# Altium PCB RTM_SFP.PcbDoc (part 12 of 17)
Units mil, origin at the board's own origin, x right, y up, seen from the top; angles counter-clockwise.
Board outline 7185 x 5846.5 mil, 4 copper layers (Top Layer, MidPlane_1, MidPlane_2, Bottom Layer), stack 63.553 mil thick; 389 components, 333 nets, 1578 pads, 1486 vias.
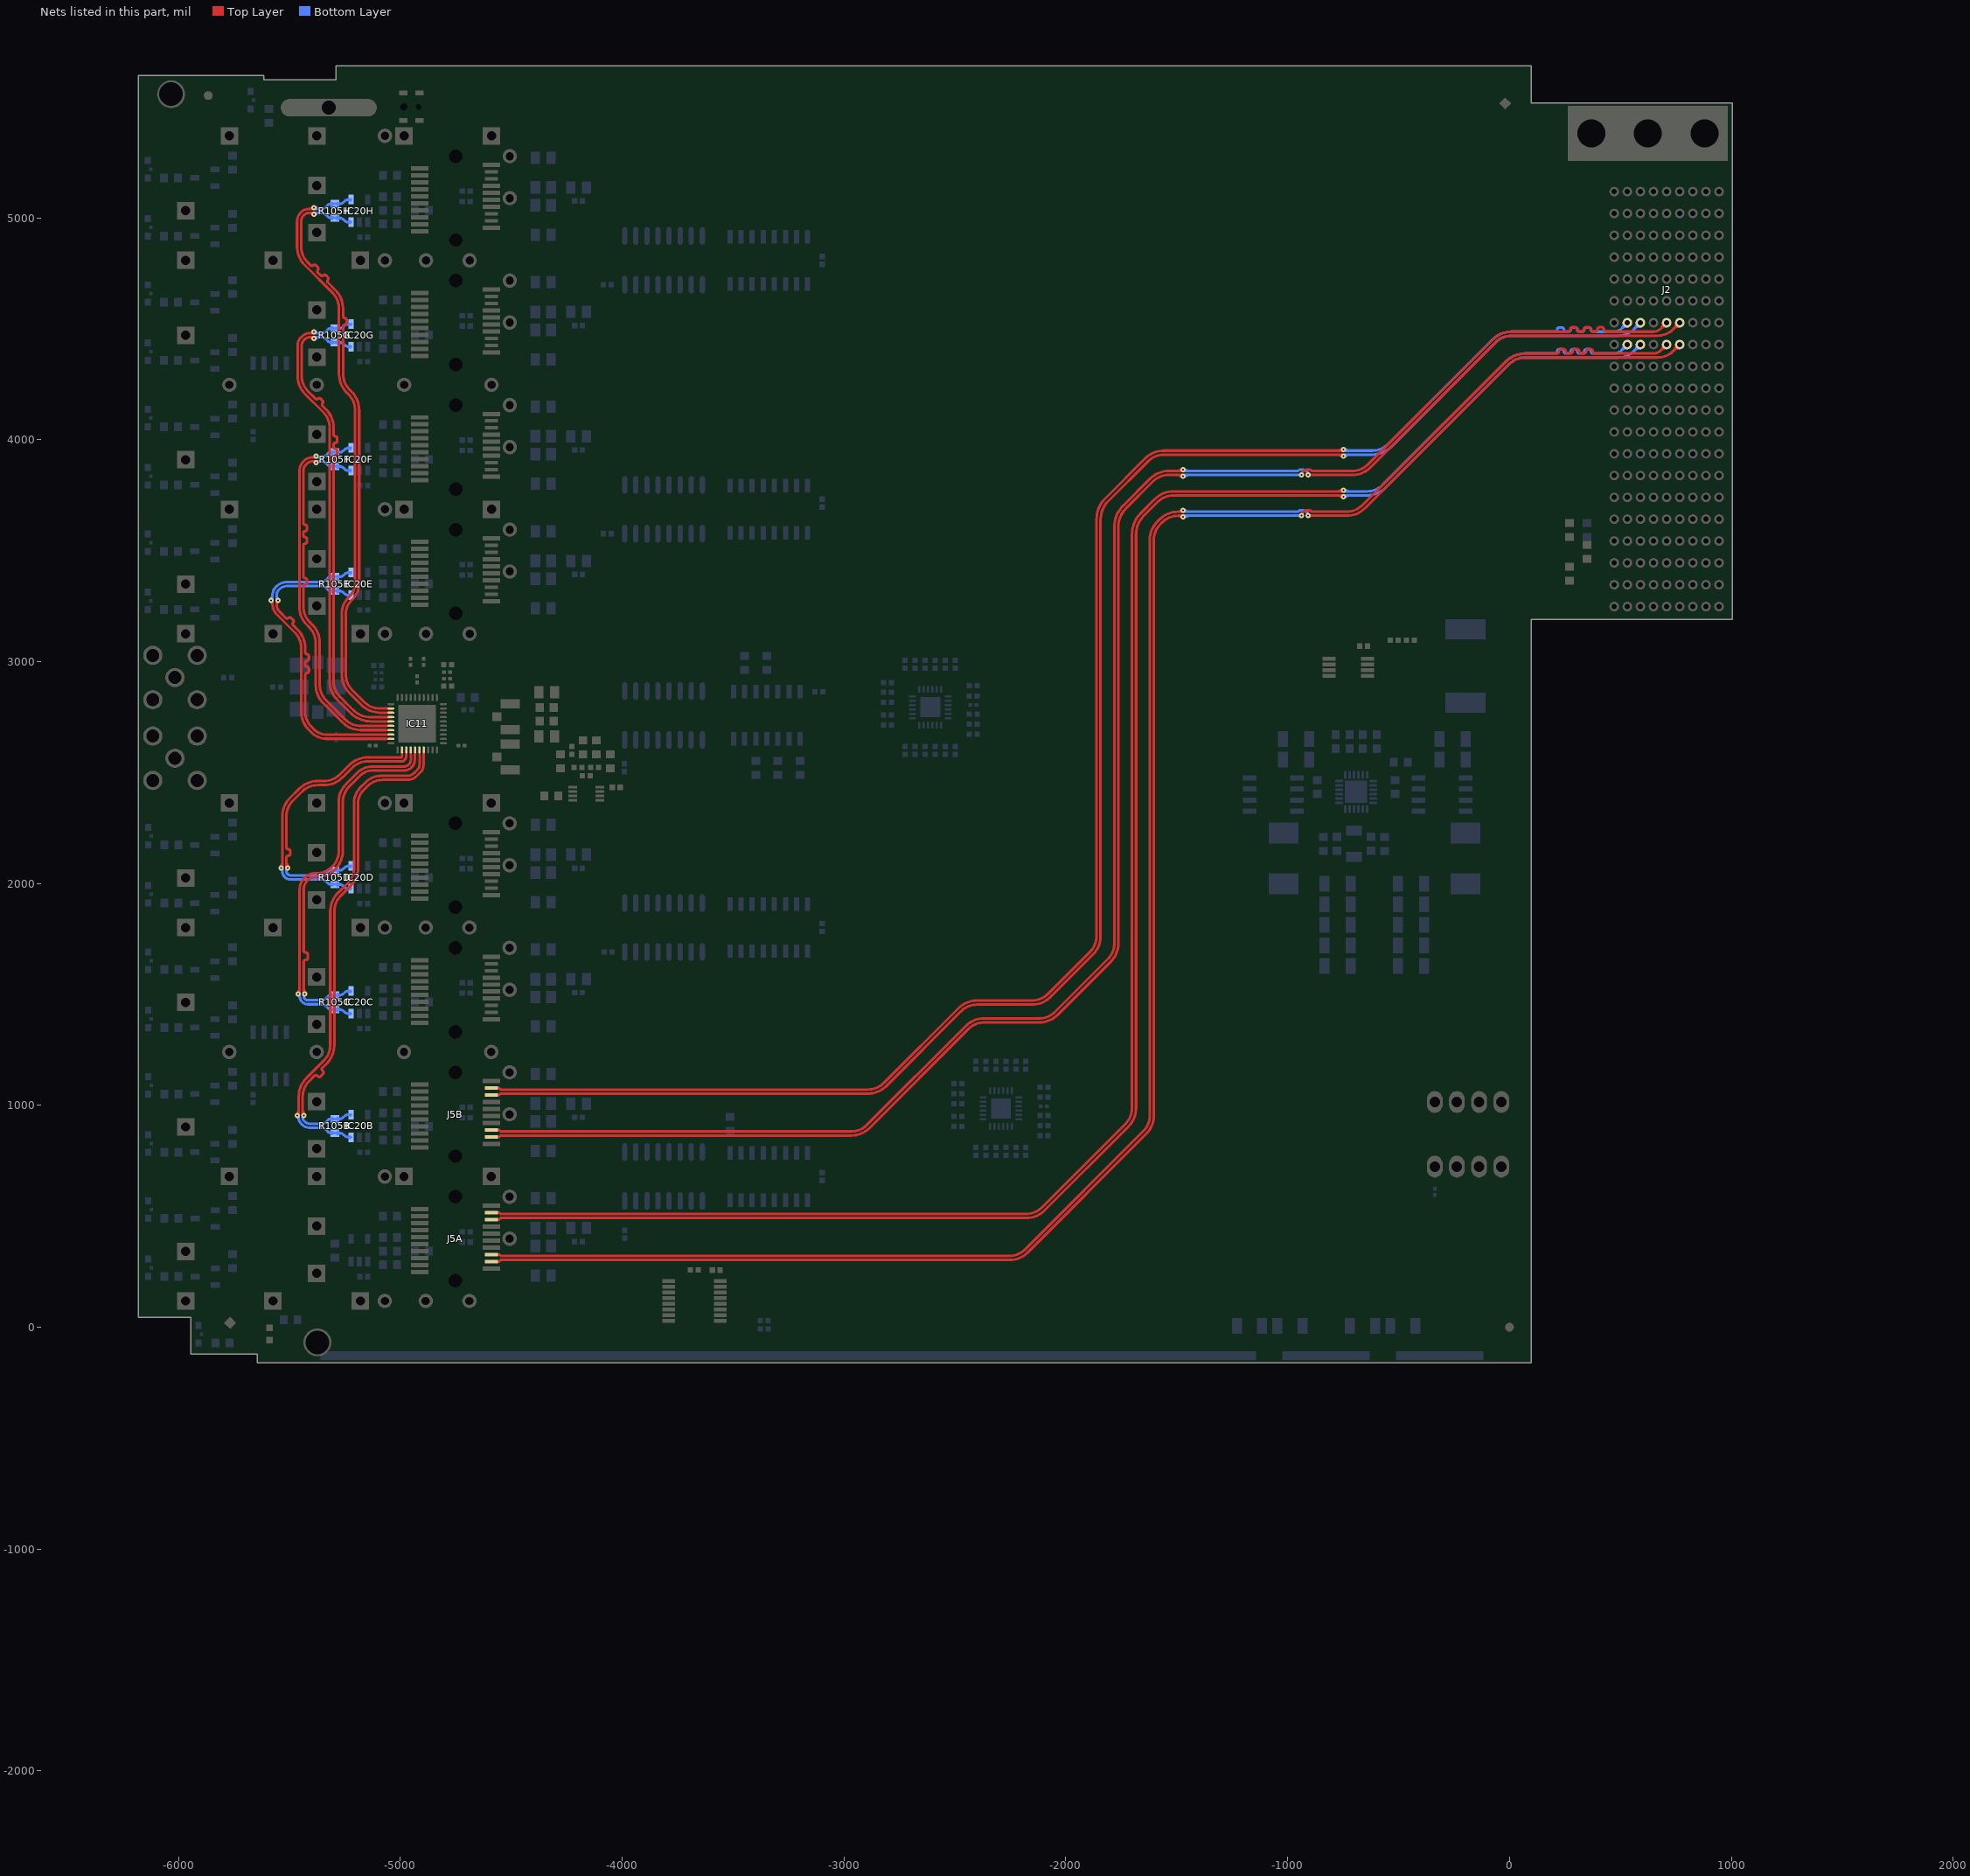
[diagram p14: the nets of this part, all layers, seen from the top]

## Via types
v1: diameter 23.62, hole 7.87, Top Layer to Bottom Layer, tented both sides, 1401 vias
v2: diameter 27.56, hole 11.81, Top Layer to Bottom Layer, tented both sides, 59 vias
v3: diameter 25.98, hole 12.99, Top Layer to Bottom Layer, tented top, 24 vias
v4: diameter 23.62, hole 11.81, Top Layer to Bottom Layer, tented both sides, 2 vias

## Nets (pads, with @x,y where several pads share a name; then routed paths per layer and width w, separated by ;. In a path a pad name is that pad's centre, name@x,y a point inside that pad or via, vN(x,y) a via of type N, cw(c..) or ccw(c..) an arc to the next point about the centre after c; other vN are vias at no path point) (continued)
SFP7RX_N: J2.D4 J5B.12 | length 8485.7
  Top Layer w12: J5B.12@-4590.14,857.33 -4554.35,857.33 -4547.61,864.08 -2967.35,864.08 ccw(c-2967.35,980.85) -2884.78,898.28 -2438.33,1344.73 cw(c-2367.62,1274.02) -2367.62,1374.02 -2119.32,1374.02 ccw(c-2119.32,1491.37) -2036.34,1408.39 -1797.85,1646.88 ccw(c-1880.78,1729.81) -1763.5,1729.81 -1763.5,3606.72 cw(c-1645.5,3606.72) -1728.94,3690.16 ; -1728.93,3690.16 -1607.33,3811.77 cw(c-1536.62,3741.06) -1536.62,3841.06 -1477.07,3841.06 v1(-1471.26,3835.24) ; v1(-937.33,3841.06) cw(c-913.52,3841.06) -913.52,3864.87 -897.54,3864.87 -891.73,3859.06 -709.53,3859.06 ccw(c-709.53,3959.06) -638.82,3888.34 -74.51,4452.65 cw(c8.43,4369.71) 8.43,4487.01 265.75,4487.01 ; 263.98,4487.01 ccw(c263.78,4497.05) 273.82,4497.05 cw(c283.66,4497.05) 283.66,4506.89 293.7,4506.89 cw(c293.7,4497.05) 303.54,4497.05 ccw(c313.58,4497.05) 313.58,4487.01 325.2,4487.01 ccw(c325,4497.05) 335.04,4497.05 cw(c344.88,4497.05) 344.88,4506.89 354.92,4506.89 cw(c354.92,4497.05) 364.76,4497.05 ccw(c374.8,4497.05) 374.8,4487.01 386.42,4487.01 ccw(c386.22,4497.05) 396.26,4497.05 cw(c406.1,4497.05) 406.1,4506.89 416.14,4506.89 cw(c416.14,4497.05) 425.98,4497.05 ccw(c436.02,4497.05) 436.02,4487.01 647.2,4487.01 ccw(c647.2,4537.48) 682.89,4501.79 ; J2.D4@708.66,4527.56 682.89,4501.79 ; -1499.32,3841.06 cw(c-1499.32,3807.19) v1@-1475.37,3831.14 ; -1499.32,3841.06 cw(c-1499.32,3807.19) v1@-1475.37,3831.14 ; -1499.32,3841.06 cw(c-1499.32,3807.19) v1@-1475.37,3831.14 ; -1487.74,3838.28 ccw(c-1482.33,3847.65) v1@-1475.13,3839.58 ; -1487.74,3838.28 ccw(c-1482.33,3847.65) v1@-1475.13,3839.58 ; -1487.74,3838.28 ccw(c-1482.33,3847.65) v1@-1475.13,3839.58 ; v1@-939.74,3846.34 ccw(c-943.96,3855.59) -934.14,3852.96 ; v1@-939.74,3846.34 ccw(c-943.96,3855.59) -934.14,3852.96 ; v1@-939.74,3846.34 ccw(c-943.96,3855.59) -934.14,3852.96 ; -934.14,3852.96 ccw(c-924.32,3850.33) v1@-932.6,3844.43 ; -934.14,3852.96 ccw(c-924.32,3850.33) v1@-932.6,3844.43 ; -934.14,3852.96 ccw(c-924.32,3850.33) v1@-932.6,3844.43 ; 682.89,4501.79 cw(c707.35,4477.34) 708.25,4511.91 ccw(c707.35,4477.34) 682.89,4501.79 ; 682.89,4501.79 ccw(c658.44,4526.25) 693.01,4527.15 cw(c658.44,4526.25) 682.89,4501.79
  Bottom Layer w12: v1(-1471.26,3835.24) -1465.45,3841.06 v1@-943.14,3841.06 ; v1@-1467.39,3839.58 ccw(c-1460.18,3847.65) -1454.77,3838.28 ; v1@-1467.39,3839.58 ccw(c-1460.18,3847.65) -1454.77,3838.28 ; v1@-1467.39,3839.58 ccw(c-1460.18,3847.65) -1454.77,3838.28 ; v1@-1467.15,3831.14 cw(c-1443.2,3807.19) -1443.2,3841.06 ; v1@-1467.15,3831.14 cw(c-1443.2,3807.19) -1443.2,3841.06 ; v1@-1467.15,3831.14 cw(c-1443.2,3807.19) -1443.2,3841.06 ; -951.36,3841.06 cw(c-951.36,3827.03) v1@-941.44,3836.95 ; -951.36,3841.06 ccw(c-951.36,3855.08) v1@-941.44,3845.16 ; -951.36,3841.06 cw(c-951.36,3827.03) v1@-941.44,3836.95 ; -951.36,3841.06 ccw(c-951.36,3855.08) v1@-941.44,3845.16 ; -951.36,3841.06 ccw(c-951.36,3855.08) v1@-941.44,3845.16 ; -951.36,3841.06 cw(c-951.36,3827.03) v1@-941.44,3836.95
SFP7RX_P: J2.C4 J5B.13 | length 8492.5
  Top Layer w12: J5B.13@-4590.14,888.83 -4554.35,888.83 -4547.61,882.08 -2967.86,882.08 ccw(c-2967.86,982.08) -2897.15,911.37 -2450.98,1357.53 cw(c-2367.73,1274.28) -2367.73,1392.02 -2119.59,1392.02 ccw(c-2119.59,1492.02) -2048.88,1421.31 -1810.79,1659.4 ccw(c-1881.5,1730.11) -1781.5,1730.11 -1781.5,3607.24 cw(c-1646.74,3607.24) -1742.03,3702.52 -1619.94,3824.61 cw(c-1536.79,3741.46) -1536.79,3859.06 -1477.07,3859.06 v1(-1471.26,3864.87) ; v1(-907.41,3841.06) -709.34,3841.06 ccw(c-709.34,3958.6) -626.23,3875.48 -61.99,4439.72 cw(c8.72,4369.01) 8.72,4469.01 667.74,4469.01 ccw(c667.74,4569.01) 738.45,4498.3 J2.C4@767.72,4527.56 ; -1499.32,3859.06 ccw(c-1499.32,3892.92) v1@-1475.37,3868.98 ; -1499.32,3859.06 ccw(c-1499.32,3892.92) v1@-1475.37,3868.98 ; -1499.32,3859.06 ccw(c-1499.32,3892.92) v1@-1475.37,3868.98 ; -1487.74,3861.83 cw(c-1482.33,3852.46) v1@-1475.13,3860.53 ; -1487.74,3861.83 cw(c-1482.33,3852.46) v1@-1475.13,3860.53 ; -1487.74,3861.83 cw(c-1482.33,3852.46) v1@-1475.13,3860.53 ; v1@-903.3,3836.95 cw(c-893.38,3827.03) -893.38,3841.06 ; v1@-903.3,3836.95 cw(c-893.38,3827.03) -893.38,3841.06 ; v1@-903.3,3836.95 cw(c-893.38,3827.03) -893.38,3841.06 ; v1@-903.3,3845.16 ccw(c-893.38,3855.08) -893.38,3841.06 ; v1@-903.3,3845.16 ccw(c-893.38,3855.08) -893.38,3841.06 ; v1@-903.3,3845.16 ccw(c-893.38,3855.08) -893.38,3841.06 ; 740.99,4500.84 cw(c767.72,4474.11) 767.72,4511.91 ccw(c767.72,4474.11) 740.99,4500.84 ; 740.99,4500.84 ccw(c714.27,4527.56) 752.06,4527.56 cw(c714.27,4527.56) 740.99,4500.84
  Bottom Layer w12: v1(-1471.26,3864.87) -1465.45,3859.06 -953,3859.06 -947.19,3864.87 -931.22,3864.87 cw(c-931.22,3841.06) v1(-907.41,3841.06) ; v1@-1467.39,3860.53 cw(c-1460.18,3852.46) -1454.77,3861.83 ; v1@-1467.39,3860.53 cw(c-1460.18,3852.46) -1454.77,3861.83 ; v1@-1467.39,3860.53 cw(c-1460.18,3852.46) -1454.77,3861.83 ; v1@-1467.15,3868.98 ccw(c-1443.2,3892.92) -1443.2,3859.06 ; v1@-1467.15,3868.98 ccw(c-1443.2,3892.92) -1443.2,3859.06 ; v1@-1467.15,3868.98 ccw(c-1443.2,3892.92) -1443.2,3859.06 ; v1@-912.14,3844.43 ccw(c-920.41,3850.33) -910.6,3852.96 ; v1@-912.14,3844.43 ccw(c-920.41,3850.33) -910.6,3852.96 ; v1@-912.14,3844.43 ccw(c-920.41,3850.33) -910.6,3852.96 ; -910.6,3852.96 ccw(c-900.78,3855.59) v1@-904.99,3846.34 ; -910.6,3852.96 ccw(c-900.78,3855.59) v1@-904.99,3846.34 ; -910.6,3852.96 ccw(c-900.78,3855.59) v1@-904.99,3846.34
SFP7TX_N: J2.F4 J5B.19 | length 8097.6
  Top Layer w12: J5B.19@-4590.14,1077.8 -4554.35,1077.8 -4547.61,1071.06 -2892.02,1071.06 ccw(c-2892.02,1171.06) -2821.31,1100.34 -2482.97,1438.68 cw(c-2402.5,1358.21) -2402.5,1472.02 -2152.73,1472.02 ccw(c-2152.73,1572.02) -2082.01,1501.31 -1890.79,1692.53 ccw(c-1961.5,1763.24) -1861.5,1763.24 -1861.5,3644.11 ; -1861.26,3644.11 cw(c-1734.95,3644.11) -1824.26,3733.43 -1640.78,3916.91 cw(c-1558.99,3835.12) -1558.99,3950.79 -754.24,3950.79 v1(-748.43,3956.6) ; -776.48,3950.79 ccw(c-776.48,3984.66) v1@-752.53,3960.71 ; -776.48,3950.79 ccw(c-776.48,3984.66) v1@-752.53,3960.71 ; -776.48,3950.79 ccw(c-776.48,3984.66) v1@-752.53,3960.71 ; -764.91,3953.56 cw(c-759.5,3944.19) v1@-752.29,3952.26 ; -764.91,3953.56 cw(c-759.5,3944.19) v1@-752.29,3952.26 ; -764.91,3953.56 cw(c-759.5,3944.19) v1@-752.29,3952.26
  Bottom Layer w12: v1(-748.43,3956.6) -742.61,3950.79 -618.2,3950.79 ccw(c-618.2,4050.79) -547.49,3980.08 -74.97,4452.6 cw(c8.1,4369.53) 8.1,4487.01 205.08,4487.01 ccw(c205.08,4497.04) 215.11,4497.04 cw(c224.57,4497.04) 224.57,4506.49 235.39,4506.49 cw(c235.39,4497.04) 244.84,4497.04 ccw(c254.87,4497.04) 254.87,4487.01 266.31,4487.01 ccw(c266.31,4497.04) 276.34,4497.04 cw(c285.79,4497.04) 285.79,4506.49 296.61,4506.49 cw(c296.61,4497.04) 306.06,4497.04 ccw(c316.1,4497.04) 316.1,4487.01 327.52,4487.01 ccw(c327.52,4497.05) 337.56,4497.05 cw(c347.01,4497.05) 347.01,4506.49 357.83,4506.49 cw(c357.83,4497.05) 367.28,4497.05 ccw(c377.32,4497.05) 377.13,4487.01 470.04,4487.01 ccw(c470.04,4537.48) 505.73,4501.79 ; J2.F4@531.5,4527.56 505.73,4501.79 ; v1@-744.56,3952.26 cw(c-737.35,3944.19) -731.94,3953.56 ; v1@-744.56,3952.26 cw(c-737.35,3944.19) -731.94,3953.56 ; v1@-744.56,3952.26 cw(c-737.35,3944.19) -731.94,3953.56 ; v1@-744.32,3960.71 ccw(c-720.37,3984.66) -720.37,3950.79 ; v1@-744.32,3960.71 ccw(c-720.37,3984.66) -720.37,3950.79 ; v1@-744.32,3960.71 ccw(c-720.37,3984.66) -720.37,3950.79 ; 505.73,4501.79 cw(c530.19,4477.34) 531.09,4511.91 ccw(c530.19,4477.34) 505.73,4501.79 ; 505.73,4501.79 ccw(c481.27,4526.25) 515.85,4527.15 cw(c481.27,4526.25) 505.73,4501.79
SFP7TX_P: J2.E4 J5B.18 | length 8103.7
  Top Layer w12: J5B.18@-4590.14,1046.31 -4554.35,1046.31 -4547.61,1053.06 -2891.23,1053.06 ccw(c-2891.23,1169.15) -2809.14,1087.06 -2471.47,1424.73 cw(c-2400.76,1354.02) -2400.76,1454.02 -2151.74,1454.02 ccw(c-2151.74,1569.63) -2069.99,1487.88 -1876.76,1681.11 ccw(c-1957.05,1761.4) -1843.5,1761.4 -1843.5,3640.05 ; -1843.31,3640.05 cw(c-1725.31,3640.05) -1808.75,3723.48 -1628.73,3903.5 cw(c-1558.02,3832.79) -1558.02,3932.79 -754.24,3932.79 v1(-748.43,3926.98) v1@-748.43,3929.24 ; -776.48,3932.79 cw(c-776.48,3898.92) v1@-752.53,3922.87 ; -776.48,3932.79 cw(c-776.48,3898.92) v1@-752.53,3922.87 ; -776.48,3932.79 cw(c-776.48,3898.92) v1@-752.53,3922.87 ; -764.91,3930.01 ccw(c-759.5,3939.38) v1@-752.29,3931.31 ; -764.91,3930.01 ccw(c-759.5,3939.38) v1@-752.29,3931.31 ; -764.91,3930.01 ccw(c-759.5,3939.38) v1@-752.29,3931.31
  Bottom Layer w12: v1(-748.43,3926.98) -742.61,3932.79 -617.97,3932.79 ccw(c-617.97,4050.23) -534.93,3967.19 -62.39,4439.72 cw(c8.32,4369.01) 8.32,4469.01 490.58,4469.01 ccw(c490.58,4569.01) 561.29,4498.3 J2.E4@590.55,4527.56 ; v1@-744.56,3931.31 ccw(c-737.35,3939.38) -731.94,3930.01 ; v1@-744.56,3931.31 ccw(c-737.35,3939.38) -731.94,3930.01 ; v1@-744.56,3931.31 ccw(c-737.35,3939.38) -731.94,3930.01 ; v1@-744.32,3922.87 cw(c-720.37,3898.92) -720.37,3932.79 ; v1@-744.32,3922.87 cw(c-720.37,3898.92) -720.37,3932.79 ; v1@-744.32,3922.87 cw(c-720.37,3898.92) -720.37,3932.79 ; 563.83,4500.84 cw(c590.55,4474.11) 590.55,4511.91 ccw(c590.55,4474.11) 563.83,4500.84 ; 563.83,4500.84 ccw(c537.11,4527.56) 574.9,4527.56 cw(c537.11,4527.56) 563.83,4500.84
SFP8RX_N: J2.D3 J5A.12 | length 9077.4
  Top Layer w12: J5A.12@-4590.14,296.31 -4554.35,296.31 -4547.61,303.05 -2253.41,303.05 ccw(c-2253.41,417.54) -2172.46,336.59 -1637.75,871.3 ccw(c-1720.44,953.99) -1603.5,953.99 -1603.5,3547.9 cw(c-1503.5,3547.9) -1574.21,3618.61 -1564.78,3628.04 cw(c-1494.07,3557.33) -1494.07,3657.33 ; v1(-1471.39,3651.52) -1477.2,3657.33 -1494.07,3657.33 ; v1(-937.46,3657.33) cw(c-913.65,3657.33) -913.65,3681.14 -897.67,3681.14 -891.86,3675.33 -734.07,3675.33 ccw(c-734.07,3775.33) -663.36,3704.62 -13.57,4354.41 cw(c68.93,4271.91) 68.93,4388.58 213.59,4388.58 ccw(c213.39,4398.62) 223.43,4398.62 cw(c233.27,4398.62) 233.27,4408.46 243.31,4408.46 cw(c243.31,4398.62) 253.15,4398.62 ccw(c263.19,4398.62) 263.19,4388.58 274.81,4388.58 ccw(c274.61,4398.62) 284.65,4398.62 cw(c294.49,4398.62) 294.49,4408.46 304.53,4408.46 cw(c304.53,4398.62) 314.37,4398.62 ccw(c324.41,4398.62) 324.41,4388.58 336.03,4388.58 ccw(c335.83,4398.62) 345.87,4398.62 cw(c355.71,4398.62) 355.71,4408.46 365.75,4408.46 cw(c365.75,4398.62) 375.59,4398.62 ccw(c385.63,4398.62) 385.63,4388.58 647.2,4388.58 ccw(c647.2,4439.05) 682.89,4403.37 ; J2.D3@708.66,4429.13 682.89,4403.37 ; -1494.07,3657.33 cw(c-1494.07,3635.19) v1@-1476.11,3648.12 ; -1494.07,3657.33 cw(c-1494.07,3635.19) v1@-1476.11,3648.12 ; -1494.07,3657.33 cw(c-1494.07,3635.19) v1@-1476.11,3648.12 ; -1484.09,3654.65 ccw(c-1480.29,3659.31) v1@-1475.76,3655.34 ; -1484.09,3654.65 ccw(c-1480.29,3659.31) v1@-1475.76,3655.34 ; -1484.09,3654.65 ccw(c-1480.29,3659.31) v1@-1475.76,3655.34 ; v1@-939.87,3662.61 ccw(c-944.09,3671.86) -934.27,3669.23 ; v1@-939.87,3662.61 ccw(c-944.09,3671.86) -934.27,3669.23 ; v1@-939.87,3662.61 ccw(c-944.09,3671.86) -934.27,3669.23 ; -934.27,3669.23 ccw(c-924.45,3666.6) v1@-932.73,3660.7 ; -934.27,3669.23 ccw(c-924.45,3666.6) v1@-932.73,3660.7 ; -934.27,3669.23 ccw(c-924.45,3666.6) v1@-932.73,3660.7 ; 682.89,4403.37 cw(c707.35,4378.91) 708.25,4413.49 ccw(c707.35,4378.91) 682.89,4403.37 ; 682.89,4403.37 ccw(c658.44,4427.82) 693.01,4428.73 cw(c658.44,4427.82) 682.89,4403.37
  Bottom Layer w12: v1(-1471.39,3651.52) -1465.58,3657.33 v1(-937.46,3657.33) ; v1@-1467.52,3655.85 ccw(c-1460.31,3663.92) -1454.9,3654.55 ; v1@-1467.52,3655.85 ccw(c-1460.31,3663.92) -1454.9,3654.55 ; v1@-1467.52,3655.85 ccw(c-1460.31,3663.92) -1454.9,3654.55 ; v1@-1467.28,3647.41 cw(c-1443.33,3623.46) -1443.33,3657.33 ; v1@-1467.28,3647.41 cw(c-1443.33,3623.46) -1443.33,3657.33 ; v1@-1467.28,3647.41 cw(c-1443.33,3623.46) -1443.33,3657.33 ; -951.49,3657.33 cw(c-951.49,3643.3) v1@-941.57,3653.22 ; -951.49,3657.33 ccw(c-951.49,3671.36) v1@-941.57,3661.44 ; -951.49,3657.33 cw(c-951.49,3643.3) v1@-941.57,3653.22 ; -951.49,3657.33 ccw(c-951.49,3671.36) v1@-941.57,3661.44 ; -951.49,3657.33 ccw(c-951.49,3671.36) v1@-941.57,3661.44 ; -951.49,3657.33 cw(c-951.49,3643.3) v1@-941.57,3653.22
SFP8RX_P: J2.C3 J5A.13 | length 9083.6
  Top Layer w12: J5A.13@-4590.14,327.8 -4554.35,327.8 -4547.61,321.05 -2254.87,321.05 ccw(c-2254.87,421.05) -2184.16,350.34 -1650.79,883.72 ccw(c-1721.5,954.43) -1621.5,954.43 -1621.5,3548.19 cw(c-1504.19,3548.19) -1587.14,3631.14 -1577.02,3641.25 cw(c-1494.76,3558.99) -1494.76,3675.33 ; v1(-1471.39,3681.14) -1477.2,3675.33 -1494.76,3675.33 ; v1(-907.54,3657.33) -733.7,3657.33 ccw(c-733.7,3774.44) -650.89,3691.63 -1.23,4341.29 cw(c69.48,4270.58) 69.48,4370.58 667.74,4370.58 ccw(c667.74,4470.58) 738.45,4399.87 J2.C3@767.72,4429.13 ; -1494.76,3675.33 ccw(c-1494.76,3698.83) v1@-1476.02,3684.64 ; -1494.76,3675.33 ccw(c-1494.76,3698.83) v1@-1476.02,3684.64 ; -1494.76,3675.33 ccw(c-1494.76,3698.83) v1@-1476.02,3684.64 ; -1484.5,3678.05 cw(c-1480.53,3672.95) v1@-1475.72,3677.26 ; -1484.5,3678.05 cw(c-1480.53,3672.95) v1@-1475.72,3677.26 ; -1484.5,3678.05 cw(c-1480.53,3672.95) v1@-1475.72,3677.26 ; v1@-903.43,3653.22 cw(c-893.51,3643.3) -893.51,3657.33 ; v1@-903.43,3653.22 cw(c-893.51,3643.3) -893.51,3657.33 ; v1@-903.43,3653.22 cw(c-893.51,3643.3) -893.51,3657.33 ; v1@-903.43,3661.44 ccw(c-893.51,3671.36) -893.51,3657.33 ; v1@-903.43,3661.44 ccw(c-893.51,3671.36) -893.51,3657.33 ; v1@-903.43,3661.44 ccw(c-893.51,3671.36) -893.51,3657.33 ; 740.99,4402.41 cw(c767.72,4375.69) 767.72,4413.48 ccw(c767.72,4375.69) 740.99,4402.41 ; 740.99,4402.41 ccw(c714.27,4429.13) 752.06,4429.13 cw(c714.27,4429.13) 740.99,4402.41
  Bottom Layer w12: v1(-1471.39,3681.14) -1465.58,3675.33 -953.13,3675.33 -947.32,3681.14 -931.35,3681.14 cw(c-931.35,3657.33) v1(-907.54,3657.33) ; v1@-1467.52,3676.8 cw(c-1460.31,3668.73) -1454.9,3678.1 ; v1@-1467.52,3676.8 cw(c-1460.31,3668.73) -1454.9,3678.1 ; v1@-1467.52,3676.8 cw(c-1460.31,3668.73) -1454.9,3678.1 ; v1@-1467.28,3685.25 ccw(c-1443.33,3709.2) -1443.33,3675.33 ; v1@-1467.28,3685.25 ccw(c-1443.33,3709.2) -1443.33,3675.33 ; v1@-1467.28,3685.25 ccw(c-1443.33,3709.2) -1443.33,3675.33 ; v1@-912.27,3660.7 ccw(c-920.54,3666.6) -910.73,3669.23 ; v1@-912.27,3660.7 ccw(c-920.54,3666.6) -910.73,3669.23 ; v1@-912.27,3660.7 ccw(c-920.54,3666.6) -910.73,3669.23 ; -910.73,3669.23 ccw(c-900.91,3671.86) v1@-905.12,3662.61 ; -910.73,3669.23 ccw(c-900.91,3671.86) v1@-905.12,3662.61 ; -910.73,3669.23 ccw(c-900.91,3671.86) v1@-905.12,3662.61
SFP8TX_N: J2.F3 J5A.19 | length 8713.7
  Top Layer w12: J5A.19@-4590.14,516.78 -4554.35,516.78 -4547.61,510.03 -2179.03,510.03 ccw(c-2179.03,610.03) -2108.32,539.32 -1730.79,916.85 ccw(c-1801.5,987.56) -1701.5,987.56 -1701.5,3574.29 cw(c-1567.2,3574.29) -1662.16,3669.25 -1598.32,3733.09 cw(c-1515.68,3650.45) -1515.68,3767.32 -755.02,3767.32 v1(-749.21,3773.13) ; -777.27,3767.32 ccw(c-777.27,3801.19) v1@-753.32,3777.24 ; -777.27,3767.32 ccw(c-777.27,3801.19) v1@-753.32,3777.24 ; -777.27,3767.32 ccw(c-777.27,3801.19) v1@-753.32,3777.24 ; -765.7,3770.1 cw(c-760.29,3760.73) v1@-753.08,3768.8 ; -765.7,3770.1 cw(c-760.29,3760.73) v1@-753.08,3768.8 ; -765.7,3770.1 cw(c-760.29,3760.73) v1@-753.08,3768.8
  Bottom Layer w12: v1(-749.21,3773.13) -743.4,3767.32 -642.07,3767.32 ccw(c-642.07,3867.32) -571.36,3796.61 -13.81,4354.16 cw(c69.29,4271.06) 69.29,4388.58 205.08,4388.58 ccw(c205.09,4398.61) 215.12,4398.61 cw(c224.57,4398.61) 224.57,4408.06 235.39,4408.06 cw(c235.39,4398.61) 244.84,4398.61 ccw(c254.87,4398.61) 254.87,4388.58 266.31,4388.58 ccw(c266.31,4398.62) 276.34,4398.62 cw(c285.79,4398.62) 285.79,4408.06 296.61,4408.06 cw(c296.61,4398.62) 306.06,4398.62 ccw(c316.1,4398.62) 316.1,4388.58 327.52,4388.58 ccw(c327.52,4398.62) 337.56,4398.62 cw(c347.01,4398.62) 347.01,4408.07 357.83,4408.07 cw(c357.83,4398.62) 367.28,4398.62 ccw(c377.32,4398.62) 377.13,4388.58 470.04,4388.58 ccw(c470.04,4439.05) 505.73,4403.37 ; J2.F3@531.5,4429.13 505.73,4403.37 ; v1@-745.34,3768.8 cw(c-738.14,3760.73) -732.73,3770.1 ; v1@-745.34,3768.8 cw(c-738.14,3760.73) -732.73,3770.1 ; v1@-745.34,3768.8 cw(c-738.14,3760.73) -732.73,3770.1 ; v1@-745.1,3777.24 ccw(c-721.15,3801.19) -721.15,3767.32 ; v1@-745.1,3777.24 ccw(c-721.15,3801.19) -721.15,3767.32 ; v1@-745.1,3777.24 ccw(c-721.15,3801.19) -721.15,3767.32 ; 505.73,4403.37 cw(c530.19,4378.91) 531.09,4413.49 ccw(c530.19,4378.91) 505.73,4403.37 ; 505.73,4403.37 ccw(c481.27,4427.82) 515.85,4428.73 cw(c481.27,4427.82) 505.73,4403.37
SFP8TX_P: J2.E3 J5A.18 | length 8720
  Top Layer w12: J5A.18@-4590.14,485.28 -4554.35,485.28 -4547.61,492.03 -2178.24,492.03 ccw(c-2178.24,608.13) -2096.15,526.03 -1717.94,904.24 ccw(c-1801.09,987.39) -1683.5,987.39 -1683.5,3573.59 cw(c-1565.5,3573.59) -1648.94,3657.02 -1585.93,3720.03 cw(c-1515.21,3649.32) -1515.21,3749.32 -755.02,3749.32 v1(-749.21,3743.51) v1@-749.21,3745.78 ; -777.27,3749.32 cw(c-777.27,3715.45) v1@-753.32,3739.4 ; -777.27,3749.32 cw(c-777.27,3715.45) v1@-753.32,3739.4 ; -777.27,3749.32 cw(c-777.27,3715.45) v1@-753.32,3739.4 ; -765.7,3746.55 ccw(c-760.29,3755.92) v1@-753.08,3747.85 ; -765.7,3746.55 ccw(c-760.29,3755.92) v1@-753.08,3747.85 ; -765.7,3746.55 ccw(c-760.29,3755.92) v1@-753.08,3747.85
  Bottom Layer w12: v1(-749.21,3743.51) -743.4,3749.32 -641.7,3749.32 ccw(c-641.7,3866.41) -558.9,3783.62 -1.23,4341.29 cw(c69.48,4270.58) 69.48,4370.58 490.58,4370.58 ccw(c490.58,4470.58) 561.29,4399.87 J2.E3@590.55,4429.13 ; v1@-745.34,3747.85 ccw(c-738.14,3755.92) -732.73,3746.55 ; v1@-745.34,3747.85 ccw(c-738.14,3755.92) -732.73,3746.55 ; v1@-745.34,3747.85 ccw(c-738.14,3755.92) -732.73,3746.55 ; v1@-745.1,3739.4 cw(c-721.15,3715.45) -721.15,3749.32 ; v1@-745.1,3739.4 cw(c-721.15,3715.45) -721.15,3749.32 ; v1@-745.1,3739.4 cw(c-721.15,3715.45) -721.15,3749.32 ; 563.83,4402.41 cw(c590.55,4375.69) 590.55,4413.48 ccw(c590.55,4375.69) 563.83,4402.41 ; 563.83,4402.41 ccw(c537.11,4429.13) 574.9,4429.13 cw(c537.11,4429.13) 563.83,4402.41
SFP_CLK1.CLOCK_N: IC11.13 IC20H.4 R105H.2 | length 2990.2
  Top Layer w10: -5064.25,2770.13 -5063.41,2769.29 IC11.13@-5042.52,2769.29
  Top Layer w12: -5449.21,5023.62 ccw(c-5409.29,4983.7) -5465.75,4983.7 -5465.75,4870.46 ccw(c-5348.19,4870.46) -5431.32,4787.33 -5305.95,4661.97 cw(c-5376.66,4591.26) -5276.66,4591.26 -5276.66,4295.8 ccw(c-5160.11,4295.8) -5242.52,4213.39 -5233.23,4204.09 cw(c-5303.94,4133.38) -5203.94,4133.38 -5203.94,3353.97 cw(c-5288.62,3353.97) -5228.74,3294.09 -5234.65,3288.18 ccw(c-5162.44,3215.96) -5264.57,3215.96 -5264.57,2941.56 ccw(c-5148.88,2941.56) -5230.69,2859.76 ; -5448.82,5024.02 -5446.58,5026.26 cw(c-5412.2,4991.89) -5412.2,5040.5 ; v1(-5390.16,5046.31) -5395.97,5040.5 -5412.2,5040.5 ; -5230.68,2859.75 -5174.84,2803.91 ; -5174.83,2803.91 ccw(c-5093.29,2885.46) -5093.29,2770.13 -5064.25,2770.13 ; -5412.2,5040.5 ccw(c-5412.2,5061.41) v1@-5394.95,5049.59 ; -5412.2,5040.5 ccw(c-5412.2,5061.41) v1@-5394.95,5049.59 ; -5412.2,5040.5 ccw(c-5412.2,5061.41) v1@-5394.95,5049.59
  Bottom Layer w12: v1(-5390.16,5046.31) -5384.35,5040.5 -5359.18,5040.5 ccw(c-5359.18,5077.69) -5332.89,5051.39 -5325.71,5058.56 cw(c-5315,5047.85) -5315,5062.99 ; R105H.2@-5308.02,5058.38 ccw(c-5315,5055.4) -5315,5062.99 ; R105H.2@-5308.02,5067.6 cw(c-5315,5070.59) -5315,5062.99 ; R105H.2@-5282.66,5058.1 cw(c-5275.03,5054.59) -5275.03,5062.99 ; R105H.2@-5282.66,5067.88 ccw(c-5275.03,5071.39) -5275.03,5062.99 ; -5241.66,5080.48 cw(c-5236.24,5060.27) IC20H.4@-5224.82,5077.81 ; IC20H.4@-5221.65,5082.68 -5233.46,5082.68 ccw(c-5233.46,5056.06) -5252.26,5074.9 -5256.5,5070.67 cw(c-5275.03,5089.2) -5275.03,5062.99 ; v1@-5386.29,5041.97 cw(c-5379.08,5033.9) -5373.67,5043.27 ; v1@-5386.29,5041.97 cw(c-5379.08,5033.9) -5373.67,5043.27 ; v1@-5386.29,5041.97 cw(c-5379.08,5033.9) -5373.67,5043.27 ; v1@-5386.05,5050.42 ccw(c-5362.1,5074.36) -5362.1,5040.5 ; v1@-5386.05,5050.42 ccw(c-5362.1,5074.36) -5362.1,5040.5 ; v1@-5386.05,5050.42 ccw(c-5362.1,5074.36) -5362.1,5040.5 ; -5315,5062.99 -5275.03,5062.99